# Altium PCB PCB1.PcbDoc (part 1 of 3)
Units mm, origin at the board's own origin, x right, y up, seen from the top; angles counter-clockwise.
Board outline 185.67 x 127.25 mm, 2 copper layers (Top Layer, Bottom Layer); 163 components, 132 nets, 740 pads, 201 vias.
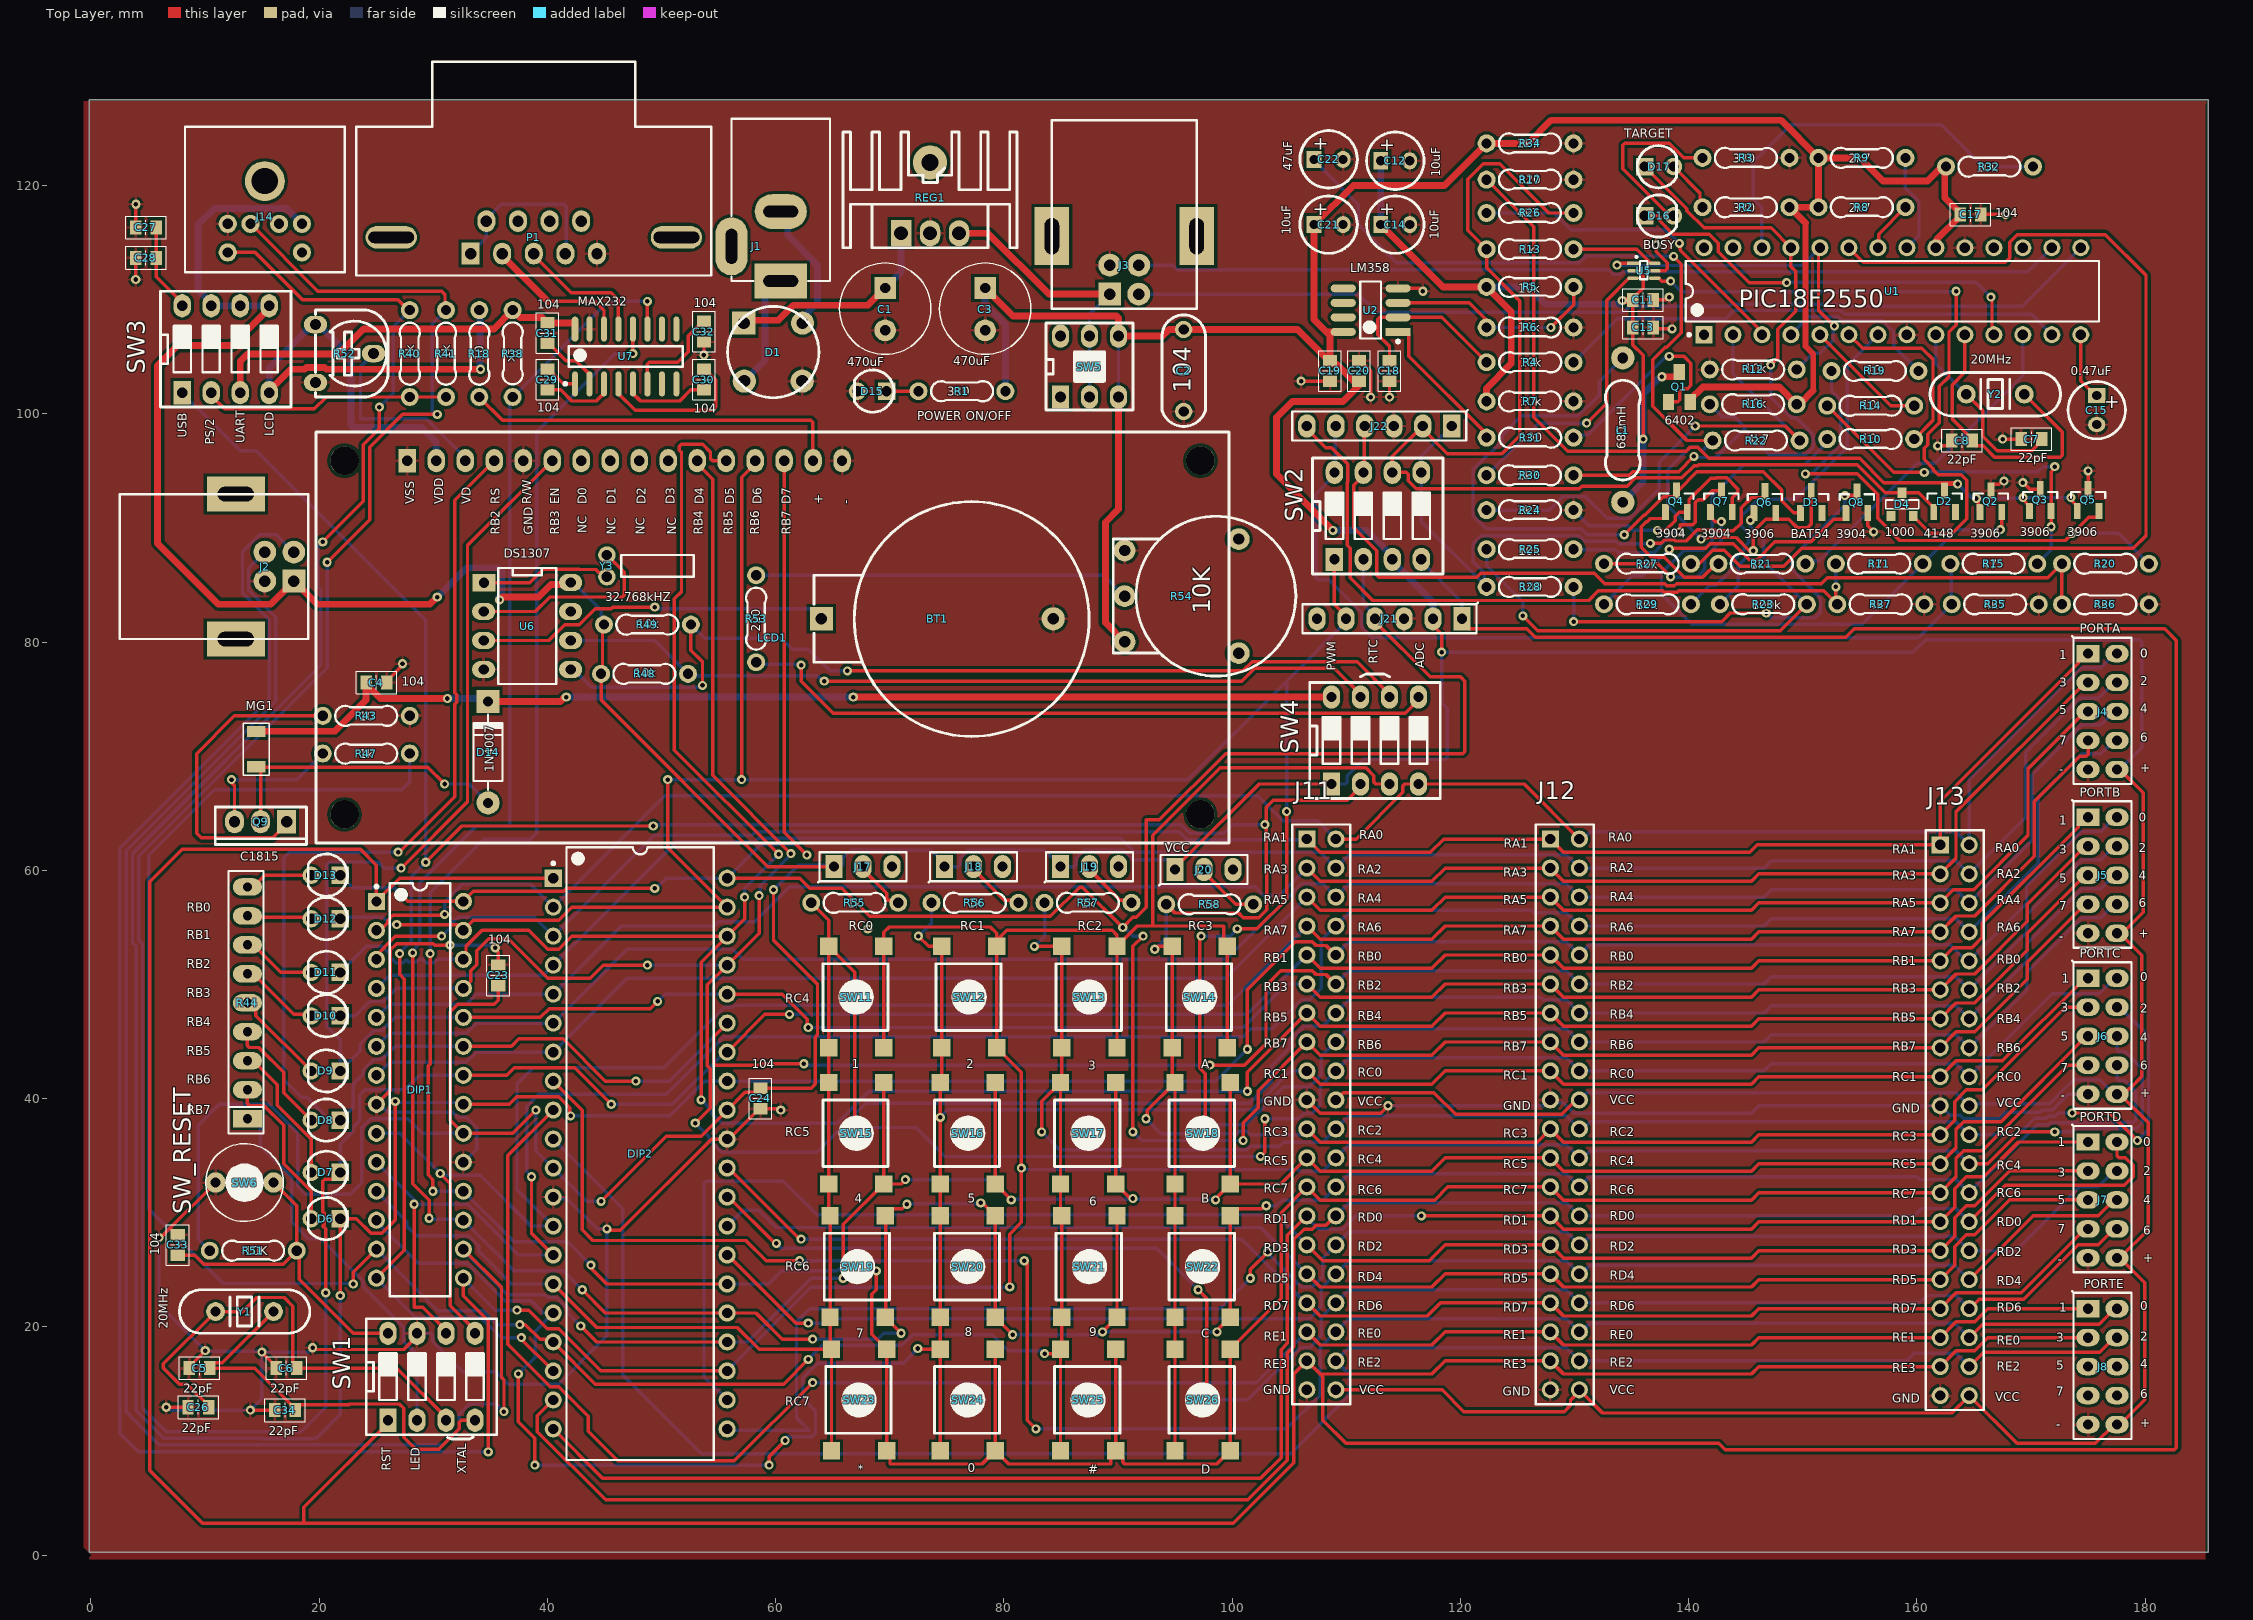
[diagram p0: Top Layer view]
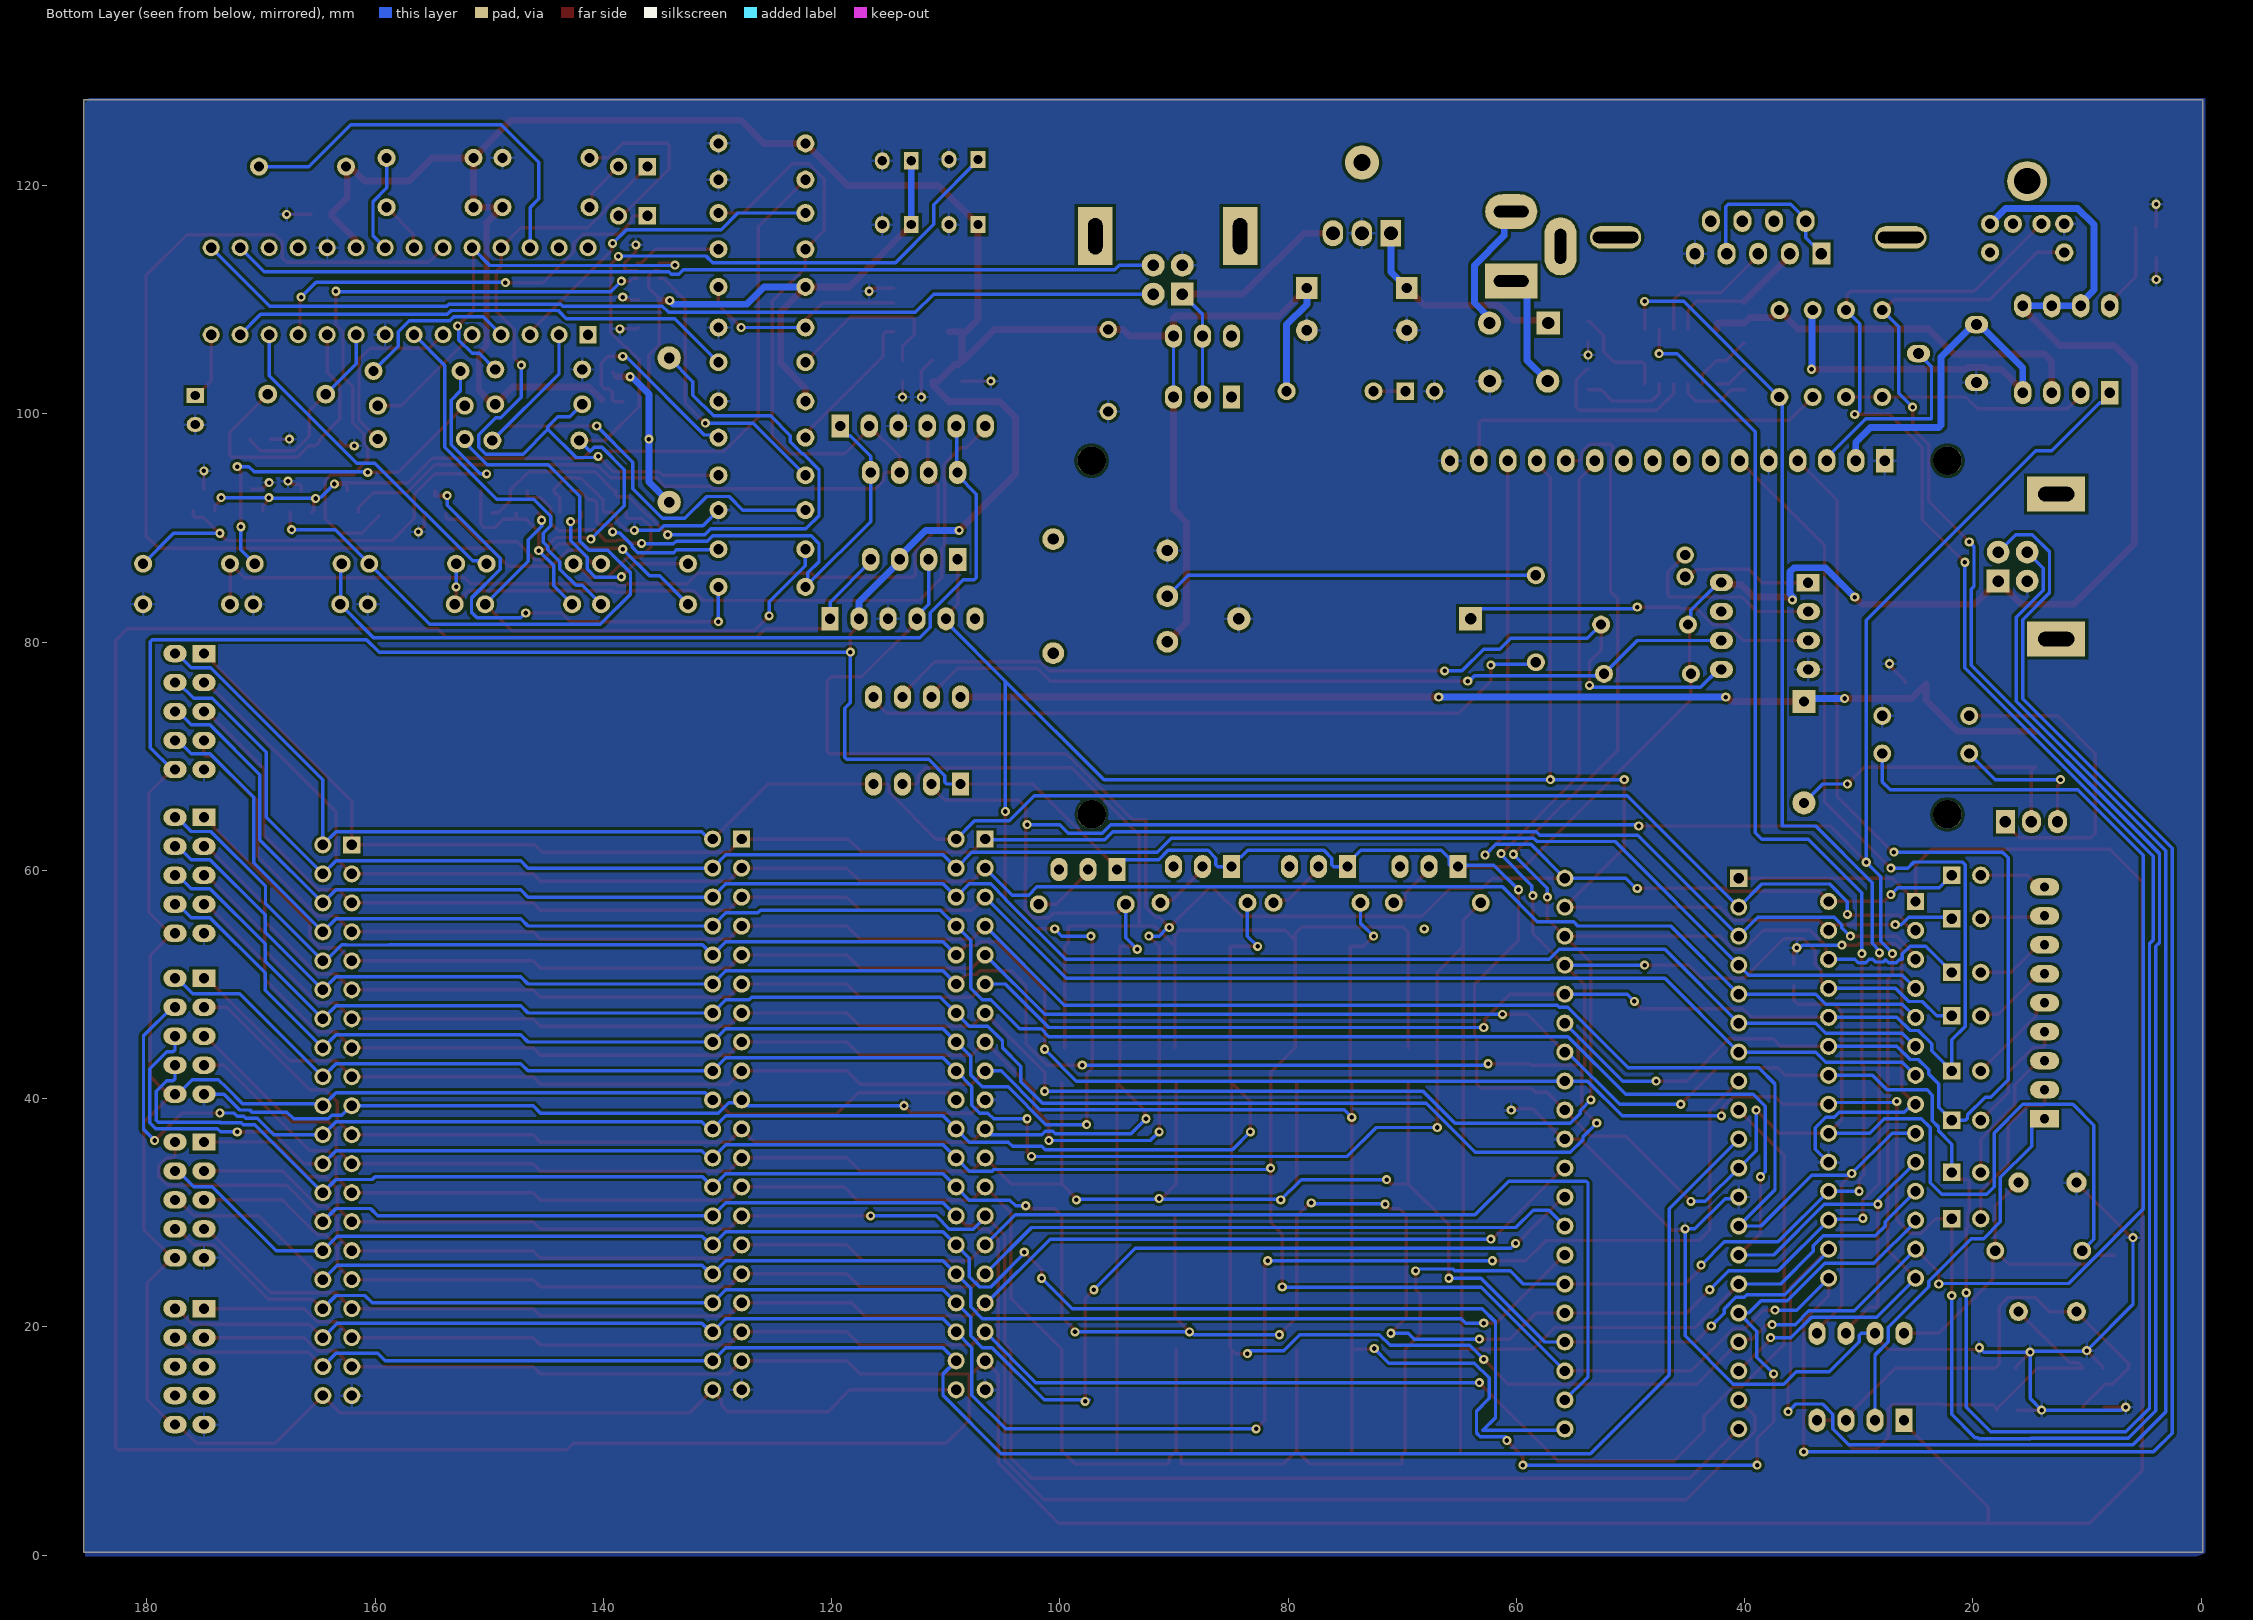
[diagram p1: Bottom Layer view, seen from below]

## Layer stack, top to bottom
Top Solder: solder mask 0.0102, Solder Resist, Dk 3.5
Top Layer: signal copper 0.0356
Dielectric 1: dielectric 0.32, FR-4, Dk 4.8
Bottom Layer: signal copper 0.0356
Bottom Solder: solder mask 0.0102, Solder Resist, Dk 3.5

## Board outline
-0.127,0.254 185.547,0.254 185.547,127.508 -0.127,127.508

## Design rules (kind name [scope] priority, off if disabled: settings)
Clearance [All] p1: gap=0.254 ignorepadtopadclearanceinfootprint=FALSE
HoleSize [All] p1: absolutevalues=TRUE maxlimit=5.08 minlimit=0.4 maxpercent=80.000 minpercent=20.000
MinimumSolderMaskSliver [All] p1 off: minsoldermaskwidth=0.254
PolygonConnect [All] p1: connectstyle=Relief reliefconductorwidth=0.254 reliefentries=4 polygonreliefangle="90 Angle" airgapwidth=0.254
RoutingVias [All] p1: holewidth=0.4 width=0.8 viastyle="Through Hole" minholewidth=0.4 minwidth=0.8 maxholewidth=0.4 maxwidth=0.8
SMDNeckDown [All] p1: percent=100.000
SilkToSilkClearance [All] p1 off: silktosilkclearance=0.254
SilkToSolderMaskClearance [IsText] p1 off: minsilkscreentomaskgap=0.254 clearancetoexposedcopper=TRUE
SolderMaskExpansion [All] p1: expansion=0.102
Width [All] p1: maxlimit=0.762 minlimit=0.254 preferedwidth=0.3 minimp=50.000000 maximp=50.000000 favimp=50.000000
26 further rules are at their usual default settings.

## Components (designator, comment, footprint, x,y, rotation, side; value= is the part's Value field where it differs from the comment)
BT1 "Battery" "CON CR2032" 64.008,82.042 r0 top
C1 "470uF" CYL/D.300/LS.150/.031 69.596,111.125 r270 top
C2 "104" "C 104" 95.758,107.391 r270 top
C3 "470uF" CYL/D.300/LS.150/.031 78.359,111.125 r270 top
C4 "104" "C 0805 (2012)" 25.019,76.454 r0 top
C5 "22pF" "C 0805 (2012)" 9.525,16.383 r0 top
C6 "22pF" "C 0805 (2012)" 17.134,16.383 r0 top
C7 "22pF" "C 0805 (2012)" 170.064,97.79 r0 top
C8 "22pF" "C 0805 (2012)" 163.968,97.663 r0 top
C11 "104" "C 0805 (2012)" 136.017,109.982 r0 top
C12 "10uF" C5mm 114.3,122.174 r0 top
C13 "104" "C 0805 (2012)" 136.017,107.569 r0 top
C14 "10uF" C5mm 114.3,116.586 r0 top
C15 "0.47uF" C5mm 175.768,100.33 r270 top
C17 "104" "C 0805 (2012)" 164.708,117.475 r0 top
C18 "104" "C 0805 (2012)" 113.792,103.759 r270 top
C19 "104" "C 0805 (2012)" 108.585,103.759 r270 top
C20 "104" "C 0805 (2012)" 111.125,103.759 r90 top
C21 "10uF" C5mm 108.458,116.586 r0 top
C22 "47uF" C5mm 108.458,122.301 r0 top
C23 "104" "C 0805 (2012)" 35.687,50.8 r90 top
C24 "104" "C 0805 (2012)" 58.674,40.005 r270 top
C26 "22pF" "C 0805 (2012)" 9.409,12.954 r0 top
C27 "104" "C 0805 (2012)" 4.826,116.332 r180 top
C28 "104" "C 0805 (2012)" 4.826,113.665 r180 top
C29 "104" "C 0805 (2012)" 40.005,102.997 r90 top
C30 "104" "C 0805 (2012)" 53.721,102.997 r90 top
C31 "104" "C 0805 (2012)" 40.005,107.072 r90 top
C32 "104" "C 0805 (2012)" 53.721,107.199 r90 top
C33 "104" "C 0805 (2012)" 7.62,27.178 r90 top
C34 "22pF" "C 0805 (2012)" 17.018,12.7 r0 top
D1 "W08M/2A" "BRIDGE DIODE 2A" 57.252,107.95 r270 top value="Cau 1A"
D2 "4148" SOT-23#1 162.433,92.329 r90 top
D3 "BAT54" SOT-23#1 150.749,92.268 r90 top
D4 "1000" SOT-23#2 158.75,92.075 r180 top
D6 "IR LED" "LED 3MM" 21.844,29.464 r180 top
D7 "IR LED" "LED 3MM" 21.844,33.528 r180 top
D8 "IR LED" "LED 3MM" 21.844,38.1 r180 top
D9 "IR LED" "LED 3MM" 21.844,42.418 r180 top
D10 "IR LED" "LED 3MM" 21.844,47.244 r180 top
D11 "IR LED" "LED 3MM" 21.844,51.054 r180 top
D12 "IR LED" "LED 3MM" 21.844,55.753 r180 top
D13 "IR LED" "LED 3MM" 21.844,59.563 r180 top
D14 "1N4007" D1A 34.798,65.913 r270 top
D15 "LED" "LED 3MM" 69.723,101.981 r180 top
D16 "BUSY" "LED 3MM" 136.144,117.348 r0 top
D17 "TARGET" "LED 3MM" 136.144,121.666 r0 top
DIP1 "PIC 28-pin PDID" SPDIP300-SP28 28.829,40.767 r0 top
DIP2 "PIC-40pin PDIP" PDIP600-P40 48.133,35.179 r0 top
J1 "AC/DC Connector" "CON PWR 5MM" 60.452,111.633 r270 top
J2 "USB B" "CON USB B" 17.78,85.344 r90 top
J3 "USB B" "CON USB B" 89.281,110.49 r0 top
J4 "PORTA" "Header 5x2" 175.006,78.994 r270 top
J5 "PORTB" "Header 5x2" 175.006,64.643 r270 top
J6 "PORTC" "Header 5x2" 175.006,50.546 r270 top
J7 "PORTD" "Header 5x2" 175.006,36.195 r270 top
J8 "PORTE" "Header 5x2" 175.006,21.59 r270 top
J11 "DIP40FEMALE2" HDR2X20 106.553,62.738 r270 top
J12 "DIP40FEMALE1" HDR2X20 127.889,62.738 r270 top
J13 "DIP40FEMALE3" HDR2X20 162.052,62.23 r270 top
J14 "PS/2 Connector" PS2-6PIN 15.24,125.146 r0 top
J17 "Header 3" "Header 3" 65.115,60.325 r0 top
J18 "Header 3" "Header 3" 74.803,60.325 r0 top
J19 "Header 3" "Header 3" 84.963,60.325 r0 top
J20 "Header 3" "Header 3" 94.996,60.071 r0 top
J21 "Header 6" "Header 6" 120.142,82.042 r180 top
J22 "Header 6" "Header 6" 119.253,98.933 r180 top
L1 "680mH" "R 1/2W" 134.239,92.253 r90 top
LCD1 "LCD 1602 B" "LCD 16x2" 27.725,95.897 r0 top
MG1 "Motor Servo" "R 1206 (3216)" 14.478,70.612 r270 top
P1 "CONNECTOR DB9" "CON DB9 FEMALE ROTATY" 38.811,115.468 r180 top
Q1 "6402" SOT23 139.192,102.362 r0 top
Q2 "3906" SOT-23#1 166.497,92.329 r90 top
Q3 "3906" SOT-23#1 170.815,92.456 r90 top
Q4 "3904" SOT-23#1 138.938,92.329 r90 top
Q5 "3906" SOT-23#1 175.006,92.456 r90 top
Q6 "3906" SOT-23#1 146.685,92.268 r90 top
Q7 "3904" SOT-23#1 142.875,92.329 r90 top
Q8 "3904" SOT-23#1 154.747,92.263 r90 top
Q9 "C1815" TO-126 17.145,64.262 r180 top
R1 "330" "R 1/4W" 72.517,101.981 r0 top
R2 "330" "R 1/4W" 148.844,118.11 r180 top
R3 "330" "R 1/4W" 148.844,122.428 r180 top
R4 "10k" "R 1/4W" 122.301,104.521 r0 top
R5 "10k" "R 1/4W" 129.921,111.125 r180 top
R6 "10k" "R 1/4W" 129.921,107.569 r180 top
R7 "10k" "R 1/4W" 129.921,101.092 r180 top
R8 "2k7" "R 1/4W" 159.004,118.11 r180 top
R9 "2k7" "R 1/4W" 159.004,122.428 r180 top
R10 "10" "R 1/4W" 159.766,97.79 r180 top value="R1W - 100"
R11 "47" "R 1/4W" 160.528,86.868 r180 top value="R1W - 100"
R12 "10k" "R 1/4W" 149.479,103.886 r180 top
R13 "1k" "R 1/4W" 129.921,114.427 r180 top
R14 "10" "R 1/4W" 159.766,100.711 r180 top value="R1W - 100"
R15 "47" "R 1/4W" 170.561,86.868 r180 top value="R1W - 100"
R16 "10k" "R 1/4W" 149.479,100.838 r180 top
R17 "820" "R 1/4W" 129.921,120.523 r180 top
R18 "10" "R 1/4W" 34.036,109.093 r270 top value="R1W - 100"
R19 "10" "R 1/4W" 160.147,103.759 r180 top value="R1W - 100"
R20 "47" "R 1/4W" 180.34,86.868 r180 top value="R1W - 100"
R21 "1k" "R 1/4W" 150.241,86.868 r180 top
R22 "4k7" "R 1/4W" 149.733,97.663 r180 top
R23 "100k" "R 1/4W" 150.368,83.312 r180 top
R24 "2k7" "R 1/4W" 129.921,91.567 r180 top
R25 "10k" "R 1/4W" 129.921,88.138 r180 top
R26 "4k7" "R 1/4W" 129.921,117.602 r180 top
R27 "10k" "R 1/4W" 132.588,86.868 r0 top
R28 "100" "R 1/4W" 129.921,84.836 r180 top
R29 "10k" "R 1/4W" 132.588,83.312 r0 top
R30 "2k7" "R 1/4W" 129.921,94.615 r180 top
R31 "100" "R 1/4W" 122.301,97.917 r0 top
R32 "10k" "R 1/4W" 170.18,121.666 r180 top
R34 "2k7" "R 1/4W" 129.921,123.698 r180 top
R35 "4k7" "R 1/4W" 170.688,83.312 r180 top
R36 "4k7" "R 1/4W" 180.34,83.312 r180 top
R37 "4k7" "R 1/4W" 160.655,83.312 r180 top
R38 "1k" "R 1/4W" 36.957,101.473 r90 top
R40 "1k" "R 1/4W" 27.94,109.093 r270 top
R41 "1k" "R 1/4W" 31.115,109.093 r270 top
R43 "10" "R 1/4W" 27.94,73.533 r180 top value="R1W - 100"
R44 "102_SIP" RN8 13.716,38.227 r90 top value="Tro thanh 10K"
R47 "1k" "R 1/4W" 27.94,70.231 r180 top
R48 "10k" "R 1/4W" 52.324,77.216 r180 top
R49 "10k" "R 1/4W" 52.578,81.534 r180 top
R51 "10K" "R 1/4W" 18.034,26.67 r180 top
R52 "10K" "R VAR D" 19.685,107.823 r270 top
R53 "220" "R 1/4W" 58.293,78.232 r90 top
R54 "10K" "R VAR B" 90.585,88.027 r270 top
R55 "1k" "R 1/4W" 70.739,57.15 r180 top
R56 "1k" "R 1/4W" 81.28,57.15 r180 top
R57 "1k" "R 1/4W" 91.186,57.15 r180 top
R58 "1k" "R 1/4W" 101.854,57.023 r180 top
REG1 "7805" TO-220/HeatSink 70.993,115.824 r0 top
SW1 "SW DIP-4" SW/DIP4 26.035,11.811 r0 top
SW2 "SW DIP-4" SW/DIP4 108.966,87.249 r0 top
SW3 "SW DIP-4" SW/DIP4 8.001,101.854 r0 top
SW4 "SW DIP-4" SW/DIP4 108.712,67.564 r0 top
SW5 "SW POWER" SW/6/DPDT/PUSH 87.503,104.14 r0 top
SW6 "SW_RESET" SW/2/DIP 10.922,32.639 r0 top
SW11 "Tact Switch" SW/4/SMD/SMALL 67.056,48.895 r0 top
SW12 "Tact Switch" SW/4/SMD/SMALL 76.962,48.895 r0 top
SW13 "Tact Switch" SW/4/SMD/SMALL 87.503,48.895 r0 top
SW14 "Tact Switch" SW/4/SMD/SMALL 97.155,48.895 r0 top
SW15 "Tact Switch" SW/4/SMD/SMALL 67.056,36.957 r0 top
SW16 "Tact Switch" SW/4/SMD/SMALL 76.835,36.957 r0 top
SW17 "Tact Switch" SW/4/SMD/SMALL 87.376,36.957 r0 top
SW18 "Tact Switch" SW/4/SMD/SMALL 97.409,36.957 r0 top
SW19 "Tact Switch" SW/4/SMD/SMALL 67.183,25.273 r0 top
SW20 "Tact Switch" SW/4/SMD/SMALL 76.835,25.273 r0 top
SW21 "Tact Switch" SW/4/SMD/SMALL 87.503,25.273 r0 top
SW22 "Tact Switch" SW/4/SMD/SMALL 97.409,25.273 r0 top
SW23 "Tact Switch" SW/4/SMD/SMALL 67.31,13.589 r0 top
SW24 "Tact Switch" SW/4/SMD/SMALL 76.835,13.589 r0 top
SW25 "Tact Switch" SW/4/SMD/SMALL 87.376,13.589 r0 top
SW26 "Tact Switch" SW/4/SMD/SMALL 97.409,13.589 r0 top
U1 "PIC18F2550" SPDIP300-SP28 157.861,110.744 r90 top
U2 "LM358" SOIC-8 112.141,109.093 r180 top
U5 "FDC6420" SOT-6 135.133,113.187 r0 top
U6 "DS1307" "DIP 8" 34.417,85.217 r270 top
U7 "MAX232" SOIC-16 46.863,105.029 r90 top
Y1 "20MHz" "Crystal HC49S DIP" 16.002,21.336 r180 top
Y2 "20MHz" "Crystal HC49S DIP" 164.338,101.727 r0 top
Y3 "32.768kHZ" "Crystal DIP-2" 45.212,88.265 r0 top
